# KiCad board key-ripper.kicad_pcb
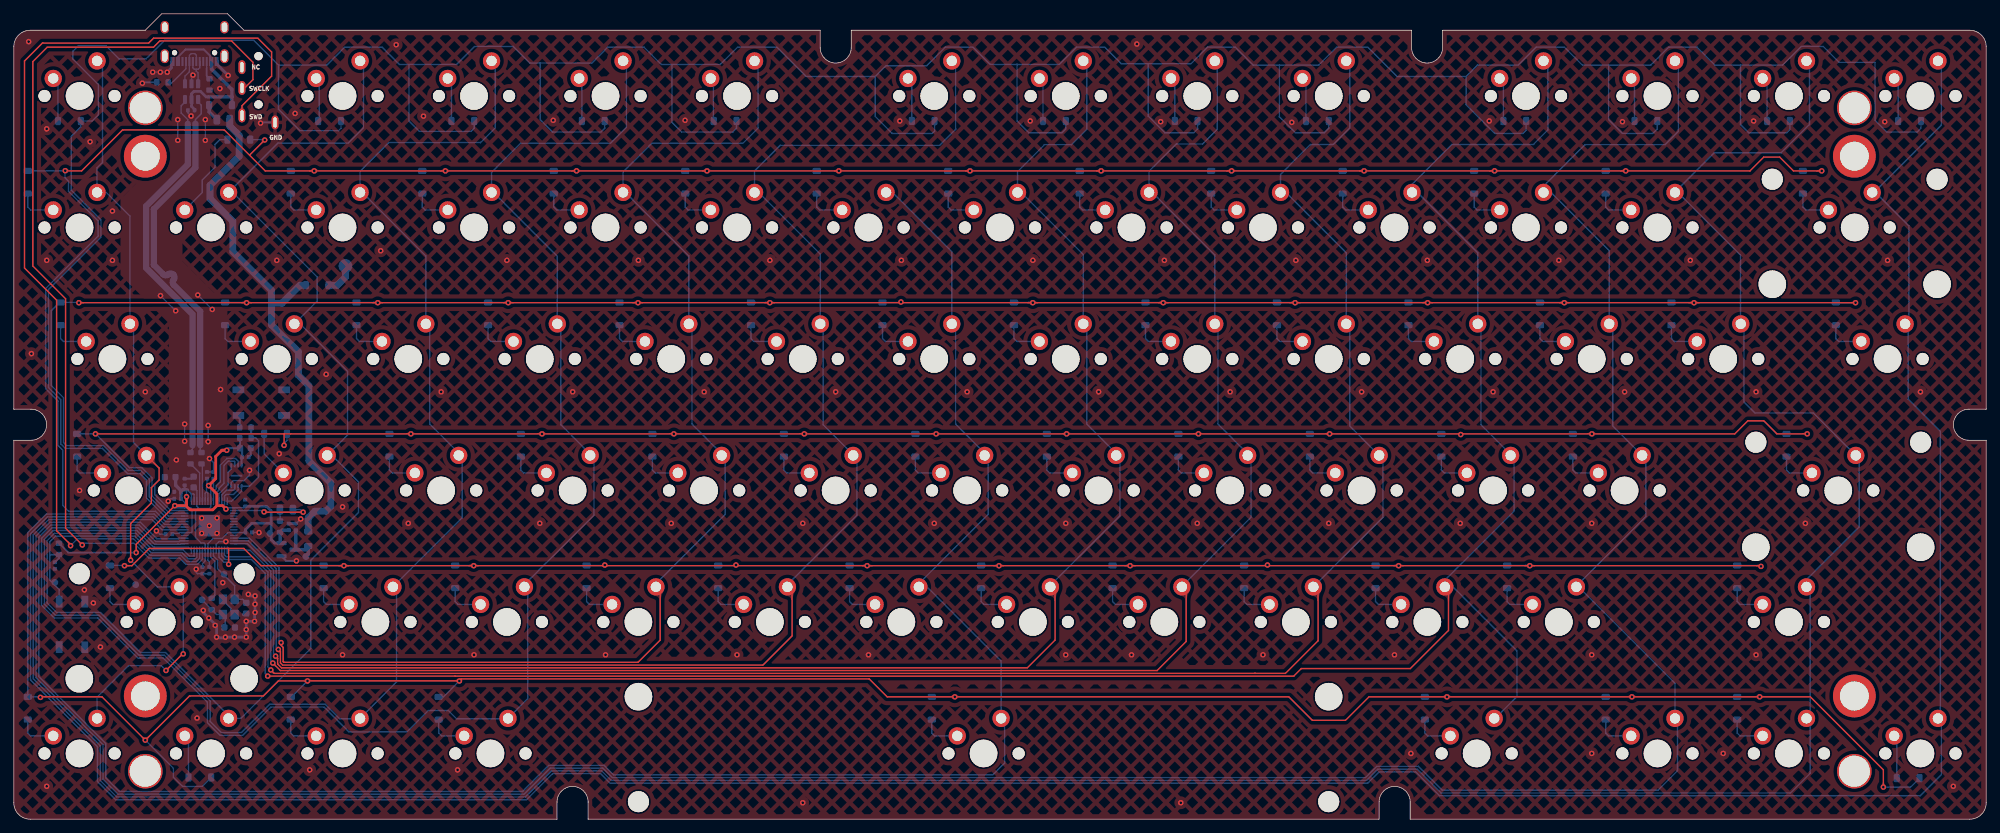
[diagram p0: board, top side]
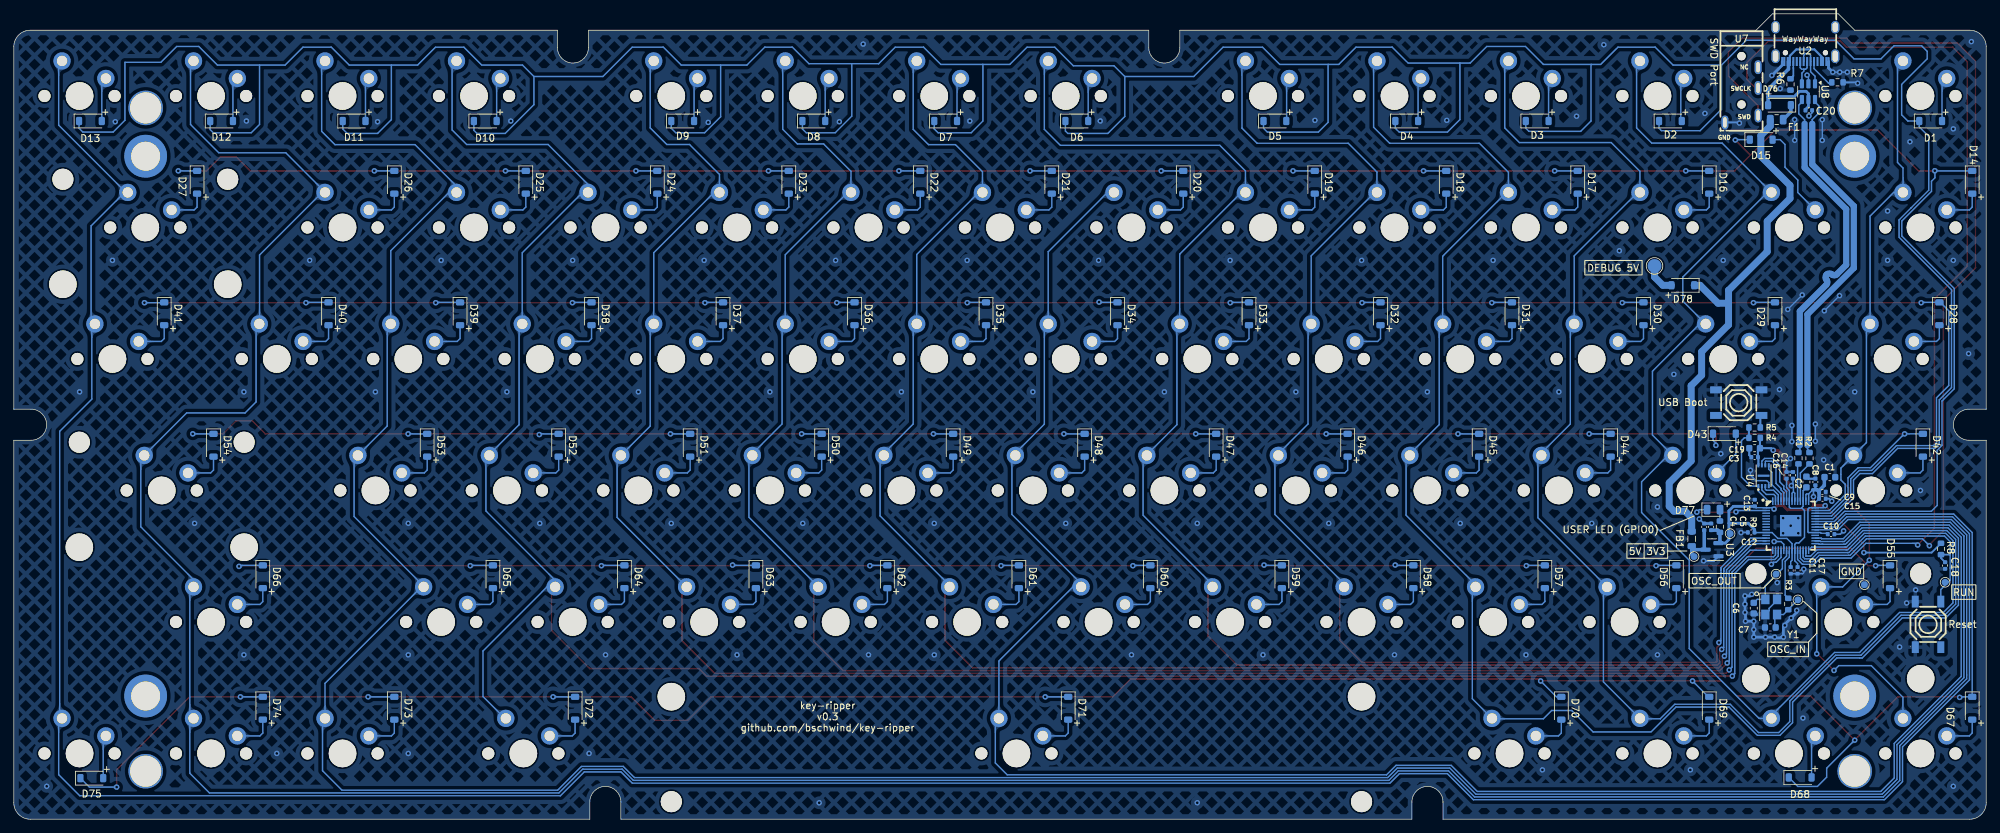
[diagram p1: board, bottom side, seen from below]

Outline 285.75 x 116.68 mm; copper layers: Top, Bottom. Coordinates in mm from the lower left corner of the outline.
Outline path: 0,59.4 0,111.92 arc(0.7,113.6) 2.38,114.3 19.05,114.3 21.43,116.68 30.96,116.68 33.34,114.3 116.83,114.3 ; 0,54.9 0,2.38 arc(0.7,0.7) 2.38,0 78.7,0 ; 121.33,114.3 202.5,114.3 ; 197.8,0 83.2,0 ; 207,114.3 283.37,114.3 arc(285.05,113.6) 285.75,111.92 285.75,59.4 ; 202.3,0 283.37,0 arc(285.05,0.7) 285.75,2.38 285.75,54.9
Stack: Top 0.035mm / dielectric 1.51mm FR4 er 4.5 / Bottom 0.035mm

## Placement (name value [footprint] x y rotation side)
C1  2.2uF  [C_0603_1608Metric]  22.65 49.55 180 bottom
C2  2.2uF  [C_0603_1608Metric]  26.05 48.85 90 bottom
C3  100nF  [C_0402_1005Metric]  33.55 52.45 0 bottom
C4  1uF  [C_0402_1005Metric]  40.85 42.35 90 bottom
C5  1uF  [C_0402_1005Metric]  39.85 42.35 90 bottom
C6  30pF  [C_0603_1608Metric]  33.67 30.57 270 bottom
C7  30pF  [C_0603_1608Metric]  31.28 27.77 0 bottom
C8  100nF  [C_0402_1005Metric]  24.75 48.85 90 bottom
C9  100nF  [C_0402_1005Metric]  23.72 47.42 180 bottom
C10  100nF  [C_0402_1005Metric]  22.47 41.29 180 bottom
C11  100nF  [C_0402_1005Metric]  28.32 36.04 270 bottom
C12  100nF  [C_0402_1005Metric]  34.05 41.54 0 bottom
C13  100nF  [C_0402_1005Metric]  33.53 45.8 90 bottom
C14  100nF  [C_0402_1005Metric]  28 49.82 90 bottom
C15  100nF  [C_0402_1005Metric]  23.72 46.42 180 bottom
C16  100nF  [C_0402_1005Metric]  28.93 49.82 90 bottom
C17  100nF  [C_0402_1005Metric]  27.32 36.04 270 bottom
C18  100nF  [C_0402_1005Metric]  5.95 36.75 270 bottom
C19  2.2uF  [C_0603_1608Metric]  33.55 53.75 0 bottom
C20  100nF  [C_0402_1005Metric]  25.7 102.7 180 bottom
D1  D_Small  [D_SOD-123]  8.05 101.15 180 bottom
D2  D_Small  [D_SOD-123]  45.75 101.15 180 bottom
D3  D_Small  [D_SOD-123]  65.05 101.15 180 bottom
D4  D_Small  [D_SOD-123]  83.95 101.15 180 bottom
D5  D_Small  [D_SOD-123]  103.05 101.15 180 bottom
D6  D_Small  [D_SOD-123]  131.75 101.15 180 bottom
D7  D_Small  [D_SOD-123]  150.75 101.15 180 bottom
D8  D_Small  [D_SOD-123]  169.85 101.15 180 bottom
D9  D_Small  [D_SOD-123]  188.85 101.15 180 bottom
D10  D_Small  [D_SOD-123]  217.45 101.15 180 bottom
D11  D_Small  [D_SOD-123]  236.45 101.15 180 bottom
D12  D_Small  [D_SOD-123]  255.65 101.15 180 bottom
D13  D_Small  [D_SOD-123]  274.65 101.15 180 bottom
D14  D_Small  [D_SOD-123]  2.02 92.27 270 bottom
D15  D_Small  [D_SOD-123]  32.6 98.45 180 bottom
D16  D_Small  [D_SOD-123]  40.12 92.27 270 bottom
D17  D_Small  [D_SOD-123]  59.17 92.27 270 bottom
D18  D_Small  [D_SOD-123]  78.23 92.27 270 bottom
D19  D_Small  [D_SOD-123]  97.28 92.27 270 bottom
D20  D_Small  [D_SOD-123]  116.33 92.27 270 bottom
D21  D_Small  [D_SOD-123]  135.38 92.27 270 bottom
D22  D_Small  [D_SOD-123]  154.42 92.27 270 bottom
D23  D_Small  [D_SOD-123]  173.47 92.27 270 bottom
D24  D_Small  [D_SOD-123]  192.52 92.27 270 bottom
D25  D_Small  [D_SOD-123]  211.57 92.27 270 bottom
D26  D_Small  [D_SOD-123]  230.62 92.27 270 bottom
D27  D_Small  [D_SOD-123]  259.2 92.27 270 bottom
D28  D_Small  [D_SOD-123]  6.79 73.22 270 bottom
D29  D_Small  [D_SOD-123]  30.6 73.22 270 bottom
D30  D_Small  [D_SOD-123]  49.65 73.22 270 bottom
D31  D_Small  [D_SOD-123]  68.7 73.22 270 bottom
D32  D_Small  [D_SOD-123]  87.75 73.22 270 bottom
D33  D_Small  [D_SOD-123]  106.8 73.22 270 bottom
D34  D_Small  [D_SOD-123]  125.85 73.22 270 bottom
D35  D_Small  [D_SOD-123]  144.9 73.22 270 bottom
D36  D_Small  [D_SOD-123]  163.95 73.22 270 bottom
D37  D_Small  [D_SOD-123]  183 73.22 270 bottom
D38  D_Small  [D_SOD-123]  202.05 73.22 270 bottom
D39  D_Small  [D_SOD-123]  221.1 73.22 270 bottom
D40  D_Small  [D_SOD-123]  240.15 73.22 270 bottom
D41  D_Small  [D_SOD-123]  263.96 73.22 270 bottom
D42  D_Small  [D_SOD-123]  9.17 54.17 270 bottom
D43  D_Small  [D_SOD-123]  37.92 55.85 180 bottom
D44  D_Small  [D_SOD-123]  54.41 54.17 270 bottom
D45  D_Small  [D_SOD-123]  73.46 54.17 270 bottom
D46  D_Small  [D_SOD-123]  92.51 54.17 270 bottom
D47  D_Small  [D_SOD-123]  111.56 54.17 270 bottom
D48  D_Small  [D_SOD-123]  130.61 54.17 270 bottom
D49  D_Small  [D_SOD-123]  149.66 54.17 270 bottom
D50  D_Small  [D_SOD-123]  168.71 54.17 270 bottom
D51  D_Small  [D_SOD-123]  187.76 54.17 270 bottom
D52  D_Small  [D_SOD-123]  206.81 54.17 270 bottom
D53  D_Small  [D_SOD-123]  225.86 54.17 270 bottom
D54  D_Small  [D_SOD-123]  256.82 54.17 270 bottom
D55  D_Small  [D_SOD-123]  13.93 35.12 270 bottom
D56  D_Small  [D_SOD-123]  44.89 35.12 270 bottom
D57  D_Small  [D_SOD-123]  63.94 35.12 270 bottom
D58  D_Small  [D_SOD-123]  82.99 35.12 270 bottom
D59  D_Small  [D_SOD-123]  102.04 35.12 270 bottom
D60  D_Small  [D_SOD-123]  121.09 35.12 270 bottom
D61  D_Small  [D_SOD-123]  140.14 35.12 270 bottom
D62  D_Small  [D_SOD-123]  159.19 35.12 270 bottom
D63  D_Small  [D_SOD-123]  178.24 35.12 270 bottom
D64  D_Small  [D_SOD-123]  197.29 35.12 270 bottom
D65  D_Small  [D_SOD-123]  216.34 35.12 270 bottom
D66  D_Small  [D_SOD-123]  249.68 35.12 270 bottom
D67  D_Small  [D_SOD-123]  2.02 16.07 270 bottom
D68  D_Small  [D_SOD-123]  26.95 6.05 180 bottom
D69  D_Small  [D_SOD-123]  40.12 16.07 270 bottom
D70  D_Small  [D_SOD-123]  61.56 16.07 270 bottom
D71  D_Small  [D_SOD-123]  132.99 16.07 270 bottom
D72  D_Small  [D_SOD-123]  204.43 16.07 270 bottom
D73  D_Small  [D_SOD-123]  230.62 16.07 270 bottom
D74  D_Small  [D_SOD-123]  249.68 16.07 270 bottom
D75  D_Small  [D_SOD-123]  274.45 5.95 180 bottom
D76  5819W  [D_SOD-123]  29.95 103.45 0 bottom
D77  Power LED (Blue)  [LED_0805_2012Metric]  39.5 44.85 180 bottom
D78  5819W  [D_SOD-123]  43.95 77.35 0 bottom
F1  TLC_PSMD050  [Fuse_0805_2012Metric]  30.35 101.35 0 bottom
FB1  100@100MHz  [L_0805_2012Metric]  42.66 40.62 270 bottom
H1  L_SHIFT_STABILIZER  [cherry_mx_stabilizer_2.00u]  21.43 28.57 0 top
H2  SPACE_STABILIZER  [cherry_mx_stabilizer_6.25u]  140.49 9.52 180 top
H3  ENTER_STABILIZER  [cherry_mx_stabilizer_2.00u]  264.32 47.62 0 top
H4  BACKSPACE_STABILIZER  [cherry_mx_stabilizer_2.00u]  266.7 85.72 0 top
H5  Upper Left  [threaded_insert_m3_24939]  19.05 96.05 0 top
H6  Bottom Left  [threaded_insert_m3_24939]  19.05 17.85 0 top
H7  Upper Right  [threaded_insert_m3_24939]  266.65 96.05 0 top
H8  Bottom Right  [threaded_insert_m3_24939]  266.65 17.85 0 top
H9  Upper Left  [m2_hex_spacer_passthrough]  19.05 103.05 0 top
H10  Upper Right  [m2_hex_spacer_passthrough]  266.65 103.05 0 top
H11  Bottom Left  [m2_hex_spacer_passthrough]  19.05 6.95 0 top
H12  Bottom Right  [m2_hex_spacer_passthrough]  266.65 6.95 0 top
H13  Edge M2 Spacer PassThrough  [m2_hex_spacer_passthrough_edge]  119.08 111.8 0 top
H14  Edge M2 Spacer PassThrough  [m2_hex_spacer_passthrough_edge]  204.75 111.8 0 top
H15  Edge M2 Spacer PassThrough  [m2_hex_spacer_passthrough_edge]  2.5 57.15 90 top
H16  Edge M2 Spacer PassThrough  [m2_hex_spacer_passthrough_edge]  283.25 57.15 270 top
H17  Edge M2 Spacer PassThrough  [m2_hex_spacer_passthrough_edge]  80.95 2.5 180 top
H18  Edge M2 Spacer PassThrough  [m2_hex_spacer_passthrough_edge]  200.05 2.5 180 top
R1  27 ohm  [R_0603_1608Metric]  27.2 52.3 90 bottom
R2  27 ohm  [R_0603_1608Metric]  25.6 52.3 90 bottom
R3  1k ohm  [R_0603_1608Metric]  28.68 31.17 90 bottom
R4  10k ohm  [R_0603_1608Metric]  33.55 55.25 0 bottom
R5  1k ohm  [R_0603_1608Metric]  33.55 56.75 180 bottom
R6  5.1k  [R_0603_1608Metric]  28.35 106.45 270 bottom
R7  5.1k  [R_0603_1608Metric]  21.55 106.75 180 bottom
R8  10k ohm  [R_0603_1608Metric]  6.55 39.15 90 bottom
R9  1k ohm  [R_0603_1608Metric]  38.58 42.38 90 bottom
SW1  ESC  [cherry_mx_5_pin_1.00u]  9.52 104.77 0 top
SW2  F1  [cherry_mx_5_pin_1.00u]  47.62 104.77 0 top
SW3  F2  [cherry_mx_5_pin_1.00u]  66.67 104.77 0 top
SW4  F3  [cherry_mx_5_pin_1.00u]  85.73 104.77 0 top
SW5  F4  [cherry_mx_5_pin_1.00u]  104.78 104.77 0 top
SW6  F5  [cherry_mx_5_pin_1.00u]  133.35 104.77 0 top
SW7  F6  [cherry_mx_5_pin_1.00u]  152.4 104.77 0 top
SW8  F7  [cherry_mx_5_pin_1.00u]  171.45 104.77 0 top
SW9  F8  [cherry_mx_5_pin_1.00u]  190.5 104.77 0 top
SW10  F9  [cherry_mx_5_pin_1.00u]  219.07 104.77 0 top
SW11  F10  [cherry_mx_5_pin_1.00u]  238.12 104.77 0 top
SW12  F11  [cherry_mx_5_pin_1.00u]  257.18 104.77 0 top
SW13  F12  [cherry_mx_5_pin_1.00u]  276.22 104.77 0 top
SW14  TILDE  [cherry_mx_5_pin_1.00u]  9.52 85.72 0 top
SW15  1  [cherry_mx_5_pin_1.00u]  28.57 85.72 0 top
SW16  2  [cherry_mx_5_pin_1.00u]  47.62 85.72 0 top
SW17  3  [cherry_mx_5_pin_1.00u]  66.67 85.72 0 top
SW18  4  [cherry_mx_5_pin_1.00u]  85.73 85.72 0 top
SW19  5  [cherry_mx_5_pin_1.00u]  104.78 85.72 0 top
SW20  6  [cherry_mx_5_pin_1.00u]  123.83 85.72 0 top
SW21  7  [cherry_mx_5_pin_1.00u]  142.88 85.72 0 top
SW22  8  [cherry_mx_5_pin_1.00u]  161.92 85.72 0 top
SW23  9  [cherry_mx_5_pin_1.00u]  180.97 85.72 0 top
SW24  0  [cherry_mx_5_pin_1.00u]  200.02 85.72 0 top
SW25  -  [cherry_mx_5_pin_1.00u]  219.07 85.72 0 top
SW26  =  [cherry_mx_5_pin_1.00u]  238.12 85.72 0 top
SW27  BACKSPACE  [cherry_mx_5_pin_2.00u]  266.7 85.72 0 top
SW28  TAB  [cherry_mx_5_pin_1.50u]  14.29 66.67 0 top
SW29  Q  [cherry_mx_5_pin_1.00u]  38.1 66.67 0 top
SW30  W  [cherry_mx_5_pin_1.00u]  57.15 66.67 0 top
SW31  E  [cherry_mx_5_pin_1.00u]  76.2 66.67 0 top
SW32  R  [cherry_mx_5_pin_1.00u]  95.25 66.67 0 top
SW33  T  [cherry_mx_5_pin_1.00u]  114.3 66.67 0 top
SW34  Y  [cherry_mx_5_pin_1.00u]  133.35 66.67 0 top
SW35  U  [cherry_mx_5_pin_1.00u]  152.4 66.67 0 top
SW36  I  [cherry_mx_5_pin_1.00u]  171.45 66.67 0 top
SW37  O  [cherry_mx_5_pin_1.00u]  190.5 66.67 0 top
SW38  P  [cherry_mx_5_pin_1.00u]  209.55 66.67 0 top
SW39  [  [cherry_mx_5_pin_1.00u]  228.6 66.67 0 top
SW40  ]  [cherry_mx_5_pin_1.00u]  247.65 66.67 0 top
SW41  \  [cherry_mx_5_pin_1.50u]  271.46 66.67 0 top
SW42  CAPS  [cherry_mx_5_pin_1.75u]  16.67 47.62 0 top
SW43  A  [cherry_mx_5_pin_1.00u]  42.86 47.62 0 top
SW44  S  [cherry_mx_5_pin_1.00u]  61.91 47.62 0 top
SW45  D  [cherry_mx_5_pin_1.00u]  80.96 47.62 0 top
SW46  F  [cherry_mx_5_pin_1.00u]  100.01 47.62 0 top
SW47  G  [cherry_mx_5_pin_1.00u]  119.06 47.62 0 top
SW48  H  [cherry_mx_5_pin_1.00u]  138.11 47.62 0 top
SW49  J  [cherry_mx_5_pin_1.00u]  157.16 47.62 0 top
SW50  K  [cherry_mx_5_pin_1.00u]  176.21 47.62 0 top
SW51  L  [cherry_mx_5_pin_1.00u]  195.26 47.62 0 top
SW52  ;  [cherry_mx_5_pin_1.00u]  214.31 47.62 0 top
SW53  '  [cherry_mx_5_pin_1.00u]  233.36 47.62 0 top
SW54  ENTER  [cherry_mx_5_pin_2.25u]  264.32 47.62 0 top
SW55  L_SHIFT  [cherry_mx_5_pin_2.25u]  21.43 28.57 0 top
SW56  Z  [cherry_mx_5_pin_1.00u]  52.39 28.57 0 top
SW57  X  [cherry_mx_5_pin_1.00u]  71.44 28.57 0 top
SW58  C  [cherry_mx_5_pin_1.00u]  90.49 28.57 0 top
SW59  V  [cherry_mx_5_pin_1.00u]  109.54 28.57 0 top
SW60  B  [cherry_mx_5_pin_1.00u]  128.59 28.57 0 top
SW61  N  [cherry_mx_5_pin_1.00u]  147.64 28.57 0 top
SW62  M  [cherry_mx_5_pin_1.00u]  166.69 28.57 0 top
SW63  ,  [cherry_mx_5_pin_1.00u]  185.74 28.57 0 top
SW64  .  [cherry_mx_5_pin_1.00u]  204.79 28.57 0 top
SW65  /  [cherry_mx_5_pin_1.00u]  223.84 28.57 0 top
SW66  UP  [cherry_mx_5_pin_1.00u]  257.18 28.57 0 top
SW67  FN  [cherry_mx_5_pin_1.00u]  9.52 9.52 0 top
SW68  BL_CTRL  [cherry_mx_5_pin_1.00u]  28.57 9.52 0 top
SW69  L_ALT  [cherry_mx_5_pin_1.00u]  47.62 9.52 0 top
SW70  L_CMD  [cherry_mx_5_pin_1.25u]  69.06 9.52 0 top
SW71  SPACE  [cherry_mx_5_pin_6.25u]  140.49 9.52 0 top
SW72  R_CMD  [cherry_mx_5_pin_1.25u]  211.93 9.52 0 top
SW73  LEFT  [cherry_mx_5_pin_1.00u]  238.12 9.52 0 top
SW74  DOWN  [cherry_mx_5_pin_1.00u]  257.18 9.52 0 top
SW75  RIGHT  [cherry_mx_5_pin_1.00u]  276.22 9.52 0 top
TP1  OSC_OUT  [TestPoint_Pad_D1.0mm]  30.45 35.5 180 bottom
TP2  +5V  [TestPoint_Pad_D1.0mm]  42.33 38.05 180 bottom
TP3  OSC_IN  [TestPoint_Pad_D1.0mm]  27.28 31.77 180 bottom
TP4  GND  [TestPoint_Pad_D1.0mm]  17.65 33.97 180 bottom
TP11  RUN  [TestPoint_Pad_D1.0mm]  5.95 34.32 180 bottom
TP12  3v3  [TestPoint_Pad_D1.0mm]  37.1 41.38 180 bottom
TP13  Debug 5V  [TestPoint_Pad_D2.0mm]  48.05 80.15 180 bottom
U1  RP2040  [rp2040]  28.32 42.52 180 bottom
U2  TYPE-C-31-M-12  [simple-usb-c]  26.19 113.56 0 bottom
U3  XC6206PxxxMR  [SOT-23]  39.72 39.05 0 bottom
U4  W25Q16JVUXIQ  [w25q16jvuxiq]  32.25 49.76 180 bottom
U5  USB Boot  [tactile-switch]  35.85 60.35 180 bottom
U6  Reset  [tactile-switch]  8.43 28.22 90 bottom
U7  PJ-320A  [trrs-connector-pj320a]  35.45 106.95 270 bottom
U8  USBLC6-2SC6  [SOT-23-6]  25.75 105.4 270 bottom
Y1  12MHz - 20pF  [Crystal_SMD_3225-4Pin_3.2x2.5mm]  31.15 30.75 270 bottom

## Library data of the parts
C1 C2 C19 = -: LCSC: C23630; ki_fp_filters: C_*
C3 C8-C18 C20 = -: LCSC: C307331; ki_fp_filters: C_*
C4 C5 = -: LCSC: C52923; ki_fp_filters: C_*
C6 C7 = -: LCSC: C1658; ki_fp_filters: C_*
D1-D75 = -: LCSC: C81598; ki_fp_filters: TO-???* *_Diode_* *SingleDiode* D_*
D76 D78 = -: LCSC: C8598; ki_fp_filters: TO-???* *_Diode_* *SingleDiode* D_*
D77 = -: LCSC: C2297; ki_fp_filters: LED* LED_SMD:* LED_THT:*
F1 = -: LCSC: C261942; ki_fp_filters: *polyfuse* *PTC*
FB1 = -: LCSC: C1015; ki_fp_filters: Inductor_* L_* *Ferrite*
H1-H18 = -: ki_fp_filters: MountingHole*
R1 R2 = -: LCSC: C25190; ki_fp_filters: R_*
R3 R5 R9 = -: LCSC: C21190; ki_fp_filters: R_*
R4 R8 = -: LCSC: C25804; ki_fp_filters: R_*
R6 R7 = -: LCSC: C23186; ki_fp_filters: R_*
TP1-TP4 TP11-TP13 = -: ki_fp_filters: Pin* Test*
U1 = -: Datasheet: https://atta.szlcsc.com/upload/public/pdf/source/20210621/C2040_96F425825606B7957D87DD32E2512CA9.pdf; LCSC: C2040
U2 = -: Datasheet: https://so.szlcsc.com/global.html?c=&k=C165948; LCSC: C165948
U3 = -: Datasheet: https://www.torexsemi.com/file/xc6206/XC6206.pdf; LCSC: C5446; ki_fp_filters: SOT?23*
U4 = -: Datasheet: https://item.szlcsc.com/355847.html; LCSC: C2843335
U5 U6 = -: Datasheet: https://item.szlcsc.com/300285.html; LCSC: C318884
U7 = -: Datasheet: https://atta.szlcsc.com/upload/public/pdf/source/20211009/3530D3239D5E54DF713226555EC23A50.pdf; LCSC: C2884926
U8 = -: Datasheet: https://www.st.com/resource/en/datasheet/usblc6-2.pdf; Description: Very low capacitance ESD protection diode, 2 data-line, SOT-23-6; ki_fp_filters: SOT?23*
Y1 = -: LCSC: C9002; ki_fp_filters: Crystal*

## Footprints (pads in the part's own frame, mm; a bottom-side part is the same pattern mirrored in y, then rotated)
C_0402_1005Metric
  rrect 0.56x0.62 smd: 1(-0.48,0) 2(0.48,0)
C_0603_1608Metric
  rrect 0.9x0.95 smd: 1(-0.775,0) 2(0.775,0)
cherry_mx_5_pin_1.00u
  round 1.75 hole 1.75 unplated: (-5.08,0) (5.08,0)
  round 1.55 smd: (-3.81,2.54) (2.54,5.08)
  round 4 hole 4 unplated: (0,0)
  round 2.5 hole 1.5: 1(-3.81,2.54) 2(2.54,5.08)
cherry_mx_5_pin_1.25u
  round 1.75 hole 1.75 unplated: (-5.08,0) (5.08,0)
  round 1.55 smd: (-3.81,2.54) (2.54,5.08)
  round 4 hole 4 unplated: (0,0)
  round 2.5 hole 1.5: 1(-3.81,2.54) 2(2.54,5.08)
cherry_mx_5_pin_1.50u
  round 1.75 hole 1.75 unplated: (-5.08,0) (5.08,0)
  round 1.55 smd: (-3.81,2.54) (2.54,5.08)
  round 4 hole 4 unplated: (0,0)
  round 2.5 hole 1.5: 1(-3.81,2.54) 2(2.54,5.08)
cherry_mx_5_pin_1.75u
  round 1.75 hole 1.75 unplated: (-5.08,0) (5.08,0)
  round 1.55 smd: (-3.81,2.54) (2.54,5.08)
  round 4 hole 4 unplated: (0,0)
  round 2.5 hole 1.5: 1(-3.81,2.54) 2(2.54,5.08)
cherry_mx_5_pin_2.00u
  round 1.75 hole 1.75 unplated: (-5.08,0) (5.08,0)
  round 1.55 smd: (-3.81,2.54) (2.54,5.08)
  round 4 hole 4 unplated: (0,0)
  round 2.5 hole 1.5: 1(-3.81,2.54) 2(2.54,5.08)
cherry_mx_5_pin_2.25u
  round 1.75 hole 1.75 unplated: (-5.08,0) (5.08,0)
  round 1.55 smd: (-3.81,2.54) (2.54,5.08)
  round 4 hole 4 unplated: (0,0)
  round 2.5 hole 1.5: 1(-3.81,2.54) 2(2.54,5.08)
cherry_mx_5_pin_6.25u
  round 1.75 hole 1.75 unplated: (-5.08,0) (5.08,0)
  round 1.55 smd: (-3.81,2.54) (2.54,5.08)
  round 4 hole 4 unplated: (0,0)
  round 2.5 hole 1.5: 1(-3.81,2.54) 2(2.54,5.08)
cherry_mx_stabilizer_2.00u
  round 3.048 hole 3.048 unplated: (-11.938,6.985) (11.938,6.985)
  round 3.988 hole 3.988 unplated: (-11.938,-8.225) (11.938,-8.225)
cherry_mx_stabilizer_6.25u
  round 3.048 hole 3.048 unplated: (-50,6.985) (50,6.985)
  round 3.988 hole 3.988 unplated: (-50,-8.225) (50,-8.225)
Crystal_SMD_3225-4Pin_3.2x2.5mm
  rect 1.4x1.2 smd: 1(-1.1,-0.85) 2(1.1,-0.85) 3(1.1,0.85) 4(-1.1,0.85)
D_SOD-123
  rrect 0.9x1.2 smd: 1(-1.65,0) 2(1.65,0)
Fuse_0805_2012Metric
  rrect 0.975x1.4 smd: 1(-0.938,0) 2(0.938,0)
L_0805_2012Metric
  rrect 0.875x1.2 smd: 1(-1.062,0) 2(1.062,0)
LED_0805_2012Metric
  rrect 0.975x1.4 smd: 1(-0.938,0) 2(0.938,0)
m2_hex_spacer_passthrough
  round 5 hole 4.5: 1(0,0)
R_0603_1608Metric
  rrect 0.8x0.95 smd: 1(-0.825,0) 2(0.825,0)
rp2040
  rect 1.1x0.2 smd: 1(-3.55,2.6) 2(-3.55,2.2) 3(-3.55,1.8) 4(-3.55,1.4) 5(-3.55,1) 6(-3.55,0.6) 7(-3.55,0.2) 8(-3.55,-0.2) 9(-3.55,-0.6) 10(-3.55,-1) 11(-3.55,-1.4) 12(-3.55,-1.8) 13(-3.55,-2.2) 14(-3.55,-2.6) 29(3.55,-2.6) 30(3.55,-2.2) 31(3.55,-1.8) 32(3.55,-1.4) 33(3.55,-1) 34(3.55,-0.6) 35(3.55,-0.2) 36(3.55,0.2) 37(3.55,0.6) 38(3.55,1) 39(3.55,1.4) 40(3.55,1.8) 41(3.55,2.2) 42(3.55,2.6)
  rect 0.2x1.1 smd: 15(-2.6,-3.55) 16(-2.2,-3.55) 17(-1.8,-3.55) 18(-1.4,-3.55) 19(-1,-3.55) 20(-0.6,-3.55) 21(-0.2,-3.55) 22(0.2,-3.55) 23(0.6,-3.55) 24(1,-3.55) 25(1.4,-3.55) 26(1.8,-3.55) 27(2.2,-3.55) 28(2.6,-3.55) 43(2.6,3.55) 44(2.2,3.55) 45(1.8,3.55) 46(1.4,3.55) 47(1,3.55) 48(0.6,3.55) 49(0.2,3.55) 50(-0.2,3.55) 51(-0.6,3.55) 52(-1,3.55) 53(-1.4,3.55) 54(-1.8,3.55) 55(-2.2,3.55) 56(-2.6,3.55)
  rect 3.1x3.1 smd: 57(0,0)
simple-usb-c
  round 0.75 hole 0.75 unplated: (-2.901,2.516) (2.899,2.516)
  oval 1.2x1.8 hole 0.8x1.4: 0(-4.326,-1.184) 0(4.324,-1.184)
  oval 1.2x2 hole 0.8x1.6: 0(-4.326,3.016) 0(4.324,3.016)
  rect 0.3x1.3 smd: A1(-3.351,3.784) A4(-2.551,3.784) A5(-1.251,3.784) A6(-0.251,3.784) A7(0.249,3.784) A8(1.249,3.784) A9(2.549,3.784) A12(3.349,3.784) B1(3.049,3.784) B4(2.249,3.784) B5(1.749,3.784) B6(0.749,3.784) B7(-0.751,3.784) B8(-1.751,3.784) B9(-2.251,3.784) B12(-3.051,3.784)
SOT-23
  rrect 1.475x0.6 smd: 1(-0.938,0.95) 2(-0.938,-0.95) 3(0.938,0)
SOT-23-6
  rrect 1.325x0.6 smd: 1(-1.137,0.95) 2(-1.137,0) 3(-1.137,-0.95) 4(1.137,-0.95) 5(1.137,0) 6(1.137,0.95)
tactile-switch
  rect 1.7x1 smd: 1(-3.3,1.849) 2(3.3,1.85) 3(-3.3,-1.85) 4(3.3,-1.85)
TestPoint_Pad_D1.0mm
  round 1 smd: 1(0,0)
TestPoint_Pad_D2.0mm
  round 2 smd: 1(0,0)
threaded_insert_m3_24939
  round 6.2 hole 4.2: 1(0,0)
trrs-connector-pj320a
  round 1.2 hole 1.2 unplated: (-3.597,0) (3.403,0)
  oval 2x1 hole 1.5x0.5: 2(-1.998,2.4) 3(1.002,2.4) 4(5.002,2.4) 5(6.002,-2.4)
w25q16jvuxiq
  rect 0.28x0.6 smd: 1(-0.75,-1.508) 2(-0.25,-1.508) 3(0.25,-1.508) 4(0.75,-1.508) 5(0.75,1.507) 6(0.25,1.507) 7(-0.25,1.507) 8(-0.75,1.507)
  rect 1.7x0.3 smd: 9(0,0)

## Nets
+1V1: C2.1 C16.1 C17.1 U1.23 U1.45 U1.50
+3V3: C1.1 C3.1 C5.1 C8.1 C9.1 C10.1 C11.1 C12.1 C13.1 C14.1 C15.1 C19.1 R4.1 R8.2 R9.1 TP12.1 U1.1 U1.10 U1.22 U1.33 U1.42 U1.43 U1.44 U1.48 U1.49 U3.2 U4.8
+5V: C4.1 FB1.2 TP2.1 U3.3
GND: C1.2 C2.2 C3.2 C4.2 C5.2 C6.2 C7.2 C8.2 C9.2 C10.2 C11.2 C12.2 C13.2 C14.2 C15.2 C16.2 C17.2 C18.2 C19.2 C20.2 R6.2 R7.2 TP4.1 U1.19 U1.57 U2.A1 U2.A12 U2.B1 U2.B12 U3.1 U4.4 U5.1 U5.2 U6.1 U6.2 U7.5 U8.2 Y1.2 Y1.4
VBUS: C20.1 D76.2 U2.A4 U2.A9 U2.B4 U2.B9 U8.5
CC1: R7.1 U2.A5
CC2: R6.1 U2.B5
CLM0: SW1.2 SW14.2 SW28.2 SW42.2 SW55.2 SW67.2 U1.41
CLM1: SW2.2 SW15.2 SW29.2 SW43.2 SW68.2 U1.27
CLM2: SW3.2 SW16.2 SW30.2 SW44.2 SW56.2 SW69.2 U1.28
CLM3: SW4.2 SW17.2 SW31.2 SW45.2 SW57.2 SW70.2 U1.29
CLM4: SW5.2 SW18.2 SW32.2 SW46.2 SW58.2 U1.12
CLM5: SW6.2 SW19.2 SW33.2 SW47.2 SW59.2 U1.13
CLM6: SW20.2 SW34.2 SW48.2 SW60.2 SW71.2 U1.30
CLM7: SW7.2 SW21.2 SW35.2 SW49.2 SW61.2 U1.14
CLM8: SW8.2 SW22.2 SW36.2 SW50.2 SW62.2 U1.15
CLM9: SW9.2 SW23.2 SW37.2 SW51.2 SW63.2 U1.16
CLM10: SW10.2 SW24.2 SW38.2 SW52.2 SW64.2 SW72.2 U1.17
CLM11: SW11.2 SW25.2 SW39.2 SW53.2 SW65.2 SW73.2 U1.31
CLM12: SW12.2 SW26.2 SW40.2 SW54.2 SW66.2 SW74.2 U1.34
CLM13: SW13.2 SW27.2 SW41.2 SW75.2 U1.35
OSC_IN: C7.1 R3.1 TP3.1 Y1.3
OSC_OUT: C6.1 TP1.1 U1.20 Y1.1
QSPI_SCLK: U1.52 U4.6
QSPI_SD0: U1.53 U4.5
QSPI_SD1: U1.55 U4.2
QSPI_SD2: U1.54 U4.3
QSPI_SD3: U1.51 U4.7
QSPI_SS: R4.2 R5.1 U1.56 U4.1
ROW0: D1.1 D2.1 D3.1 D4.1 D5.1 D6.1 D7.1 D8.1 D9.1 D10.1 D11.1 D12.1 D13.1 U1.38
ROW1: D14.1 D15.1 D16.1 D17.1 D18.1 D19.1 D20.1 D21.1 D22.1 D23.1 D24.1 D25.1 D26.1 D27.1 U1.37
ROW2: D28.1 D29.1 D30.1 D31.1 D32.1 D33.1 D34.1 D35.1 D36.1 D37.1 D38.1 D39.1 D40.1 D41.1 U1.39
ROW3: D42.1 D43.1 D44.1 D45.1 D46.1 D47.1 D48.1 D49.1 D50.1 D51.1 D52.1 D53.1 D54.1 U1.40
ROW4: D55.1 D56.1 D57.1 D58.1 D59.1 D60.1 D61.1 D62.1 D63.1 D64.1 D65.1 D66.1 U1.18
ROW5: D67.1 D68.1 D69.1 D70.1 D71.1 D72.1 D73.1 D74.1 D75.1 U1.36
RUN: C18.1 R8.1 TP11.1 U1.26 U6.3 U6.4
SWCLK: U1.24 U7.3
SWD: U1.25 U7.4
USB+: R1.2 U2.A6 U2.B6 U8.3 U8.4
USB-: R2.2 U2.A7 U2.B7 U8.1 U8.6
USB_MCU+: R1.1 U1.47
USB_MCU-: R2.1 U1.46
USER_LED: D77.1 U1.2
XOUT_MCU: R3.2 U1.21
Net-(D1-A): D1.2 SW1.1
Net-(D2-A): D2.2 SW2.1
Net-(D3-A): D3.2 SW3.1
Net-(D4-A): D4.2 SW4.1
Net-(D5-A): D5.2 SW5.1
Net-(D6-A): D6.2 SW6.1
Net-(D7-A): D7.2 SW7.1
Net-(D8-A): D8.2 SW8.1
Net-(D9-A): D9.2 SW9.1
Net-(D10-A): D10.2 SW10.1
Net-(D11-A): D11.2 SW11.1
Net-(D12-A): D12.2 SW12.1
Net-(D13-A): D13.2 SW13.1
Net-(D14-A): D14.2 SW14.1
Net-(D15-A): D15.2 SW15.1
Net-(D16-A): D16.2 SW16.1
Net-(D17-A): D17.2 SW17.1
Net-(D18-A): D18.2 SW18.1
Net-(D19-A): D19.2 SW19.1
Net-(D20-A): D20.2 SW20.1
Net-(D21-A): D21.2 SW21.1
Net-(D22-A): D22.2 SW22.1
Net-(D23-A): D23.2 SW23.1
Net-(D24-A): D24.2 SW24.1
Net-(D25-A): D25.2 SW25.1
Net-(D26-A): D26.2 SW26.1
Net-(D27-A): D27.2 SW27.1
Net-(D28-A): D28.2 SW28.1
Net-(D29-A): D29.2 SW29.1
Net-(D30-A): D30.2 SW30.1
Net-(D31-A): D31.2 SW31.1
Net-(D32-A): D32.2 SW32.1
Net-(D33-A): D33.2 SW33.1
Net-(D34-A): D34.2 SW34.1
Net-(D35-A): D35.2 SW35.1
Net-(D36-A): D36.2 SW36.1
Net-(D37-A): D37.2 SW37.1
Net-(D38-A): D38.2 SW38.1
Net-(D39-A): D39.2 SW39.1
Net-(D40-A): D40.2 SW40.1
Net-(D41-A): D41.2 SW41.1